# KiCad board STE25.kicad_pcb (continued)
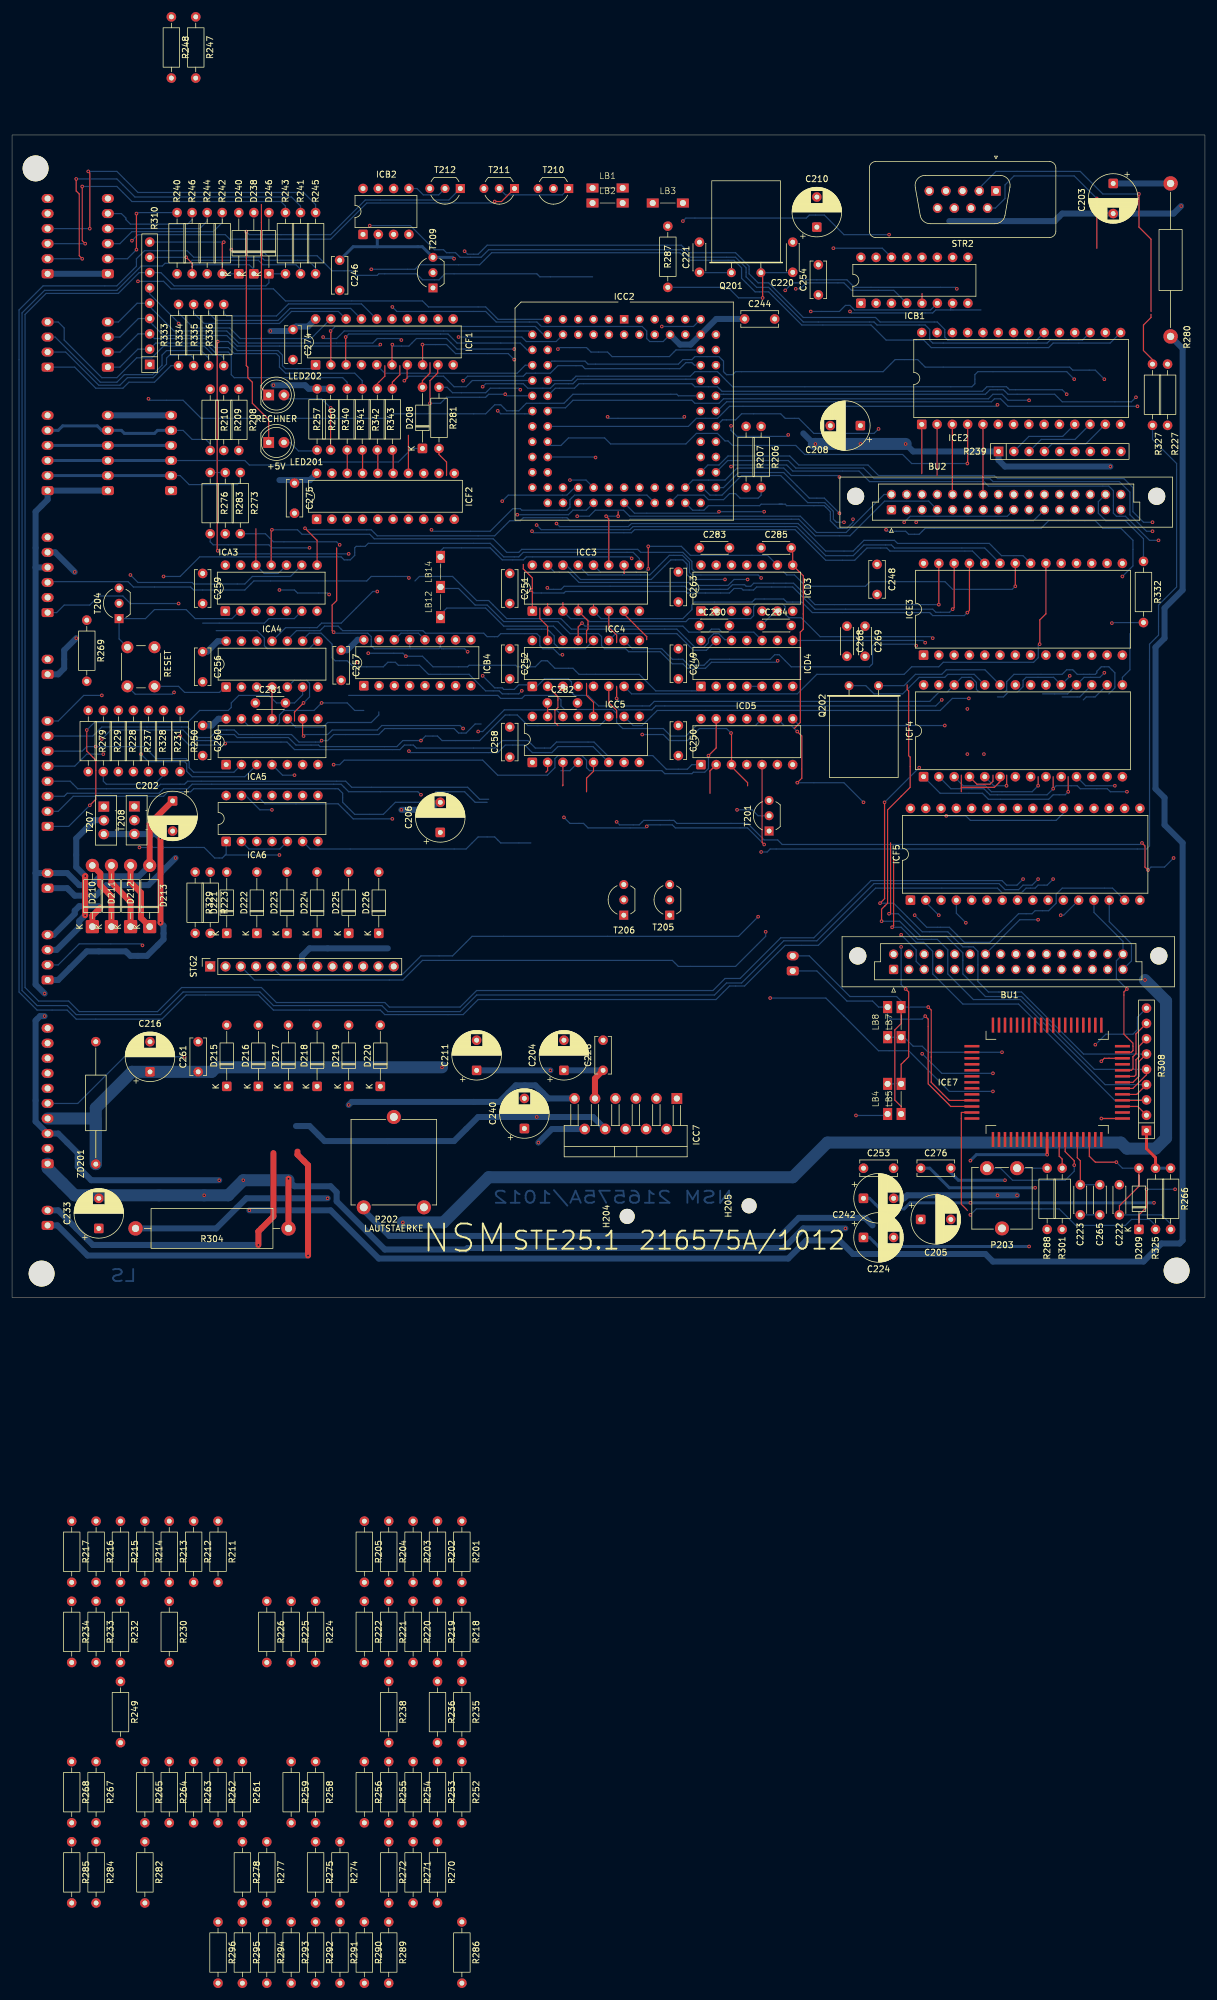
[diagram p0: board, top side]
## Routing (per net, layer and track width the routed paths; a pad name or vN(x,y) marks a point on that pad's centre or on a via; arc(x,y) is an arc through that point) (continued)
ALARM: length 9
  Bottom w1: STK2.1 7.66,103.49 8.66,104.49 8.66,107.49 v1(10.66,109.49)
D0: length 69.7
  Top w0.2: v1(52.91,160.49) 52.91,160.24 52.95,160.2 ICF1.2
  Bottom w0.2: 163.66,99.74 164.66,99.74 165.41,100.49 166.95,100.49 167.91,101.45 167.91,102.49 168.41,102.99 172.99,102.99 ICF4.19 175.66,103.14 v1(175.66,103.24) ; R239.2 168.88,142.99 174.49,142.99 ICE2.11 ; ICC2.13 88.26,159.89 86.91,161.24 53.66,161.24 v1(52.91,160.49)
D1: length 48.9
  Top w0.2: v1(55.41,159.49) 55.41,154.95 ICF1.3
  Bottom w0.2: R239.3 170.92,142.49 176.53,142.49 ICE2.12 ; v1(55.41,159.49) 55.91,159.99 72.41,159.99 73.91,158.49 84.41,158.49 85.55,157.35 ICC2.14
D2: length 23.7
  Bottom w0.2: R239.4 172.71,141.74 178.32,141.74 ICE2.13 ; v1(181.41,103.74) 180.66,102.99 178.05,102.99 ICF4.18 175.3,100.24 171.16,100.24
D3: length 168.2
  Bottom w0.2: v1(59.66,170.74) 66.91,170.74 67.66,171.49 77.66,171.49 79.66,173.49 110.91,173.49 112.16,172.24 119.91,172.24 121.16,170.99 121.16,169.24 123.41,166.99 125.66,166.99 131.16,161.49 142.66,161.49 145.16,158.99 151.41,158.99 152.66,157.74 172.16,157.74 172.91,158.49 182.37,158.49 ICE2.15 ; ICF1.5 60.82,154.62 60.82,154.58 61.91,153.49 83.91,153.49 85.23,154.81 ICC2.16 ; ICF4.11 178.29,84.99 v1(183.16,84.99)
D4: length 128.8
  Top w0.2: v1(63.16,158.24) 63.11,158.19 ICF1.6
  Bottom w0.2: ICC2.17 89.64,155.49 95.16,155.49 95.66,154.99 110.66,154.99 111.41,155.74 112.91,155.74 113.41,156.24 117.41,156.24 118.16,155.49 118.16,153.74 118.66,153.24 119.66,153.24 120.16,153.74 144.66,153.74 146.66,155.74 150.41,155.74 151.66,154.49 175.66,154.49 176.16,153.99 179.91,153.99 v1(181.41,152.49) ; v1(83.41,157.49) 73.91,157.49 72.16,159.24 67.16,159.24 65.91,157.99 63.41,157.99 v1(63.16,158.24) ; ICF4.17 177.34,99.74 174.41,99.74
D5: length 156.9
  Top w0.2: ICF1.7 65.65,154.62 65.61,154.58 65.61,152.69 v1(65.16,152.24)
  Bottom w0.2: v1(65.16,152.24) 65.91,152.99 71.66,152.99 73.41,151.24 75.41,151.24 76.44,152.27 ICC2.18 ; ICE2.17 177.79,158.99 172.41,158.99 171.91,158.49 152.91,158.49 152.41,158.99 152.41,160.74 151.66,161.49 143.66,161.49 143.16,161.99 131.41,161.99 125.66,167.74 123.66,167.74 121.91,169.49 121.91,170.99 120.16,172.74 112.41,172.74 111.16,173.99 79.16,173.99 77.91,172.74 74.41,172.74 73.66,173.49 72.16,173.49 71.66,173.99 70.16,173.99 66.16,177.99 v1(59.41,177.99)
D6: length 116.2
  Top w0.2: v1(68.16,158.24) 68.19,158.21 ICF1.8
  Bottom w0.2: ICC2.19 92.94,152.27 93.66,152.99 112.66,152.99 113.41,153.74 117.16,153.74 119.66,151.24 159.41,151.24 159.91,151.74 159.91,153.24 160.41,153.74 175.16,153.74 v1(176.41,152.49) ; 177.91,99.24 178.41,99.74 179.88,99.74 ICF4.16 ; v1(68.16,158.24) 72.16,158.24 73.66,156.74 82.41,156.74 v1(83.41,155.74)
D7: length 24.7
  Top w0.2: v1(69.41,148.49) 69.41,152.24 70.69,153.52 70.69,154.58 70.73,154.62 ICF1.9
  Bottom w0.2: v1(69.41,148.49) 71.16,148.49 72.16,149.49 78.66,149.49 79.16,149.99 v1(81.91,149.99) 82.17,149.73 ICC2.20
DB_RTS2: length 356
  Bottom w0.2: R245.2 50.41,170.99 49.16,172.24 41.91,172.24 41.41,172.74 30.16,172.74 29.08,173.82 21.99,173.82 20.66,172.49 20.66,171.24 17.41,167.99 5.16,167.99 1.16,163.99 1.16,50.74 4.16,47.74 9.16,47.74 10.66,46.24 24.91,46.24 28.91,50.24 40.91,50.24 43.41,47.74 61.16,47.74 61.91,46.99 74.91,46.99 77.41,49.49 116.91,49.49 119.16,51.74 121.66,51.74 128.41,58.49 133.91,58.49 143.41,67.99 163.66,67.99 164.41,67.24 167.66,67.24 168.41,67.99 169.91,67.99 170.41,68.49 171.91,68.49 v1(172.91,69.49)
DB_RXD2: length 340.3
  Bottom w0.2: 45.41,169.99 42.66,169.99 42.66,168.49 42.16,167.99 26.91,167.99 24.72,170.18 R310.7 21.1,170.18 17.66,166.74 5.66,166.74 2.16,163.24 2.16,51.49 4.41,49.24 9.41,49.24 11.16,47.49 24.16,47.49 28.16,51.49 41.41,51.49 43.91,48.99 61.91,48.99 62.66,48.24 74.41,48.24 77.16,50.99 116.41,50.99 118.41,52.99 120.91,52.99 127.66,59.74 133.16,59.74 142.66,69.24 164.41,69.24 165.16,68.49 166.91,68.49 v1(167.91,69.49)
IO4: length 64.6
  Top w0.2: v1(100.66,129.74) 100.66,130.49 ; v1(98.66,129.74) 99.11,129.29 ICC3.11
  Bottom w0.2: v1(98.66,129.74) v1(100.66,129.74) ; v1(119.41,144.74) 119.41,143.99 120.41,142.99 128.66,142.99 v1(128.91,143.24) ; v1(98.91,146.24) 99.16,145.99 111.41,145.99 v1(111.66,146.24) ; v1(128.41,167.24) 129.66,168.49 130.91,168.49 131.41,168.99 138.66,168.99 139.91,167.74 156.66,167.74 v1(156.91,167.49)
IO5: length 112.8
  Top w0.2: 101.66,120.24 101.65,120.25 ICC3.10 ; D209.1 187.16,13.74 188.41,14.99 v1(188.41,17.99) ; v1(188.66,70.99) 188.16,71.49 188.16,74.99 v1(187.66,75.49)
  Bottom w0.2: v1(187.66,75.49) 187.41,75.24 127.91,75.24 127.16,75.99 124.91,75.99 122.16,78.74 110.41,78.74 109.91,79.24 104.91,79.24 104.16,78.49 100.91,78.49 v1(100.41,78.99) ; v1(192.91,72.99) 191.41,71.49 189.16,71.49 v1(188.66,70.99) ; v1(188.41,17.99) v1(193.16,17.99)
IO6: length 93.9
  Bottom w0.2: ICA6.2 39.35,74.49 44.47,74.49 ICA6.5 ; v1(25.16,119.74) 27.91,119.74 31.16,122.99 54.66,122.99 55.16,122.49 56.16,122.49 56.91,123.24 56.91,124.49 57.16,124.74 58.66,124.74 59.16,125.24 79.41,125.24 81.66,122.99 84.16,122.99 84.91,123.74 103.16,123.74 104.19,122.71 ICC3.9
IO7: length 6.3
  Top w0.2: 105.41,109.24 105.41,109.74 101.65,113.5 ICC3.7
IOS_CLOCK_IN: length 63.6
  Bottom w0.2: v1(67.91,83.49) 67.41,83.99 55.91,83.99 54.66,85.24 29.91,85.24 29.16,84.49 25.16,84.49 24.41,83.74 9.16,83.74 8.66,83.24 STB2.3
IOS_CLOCK_OUT: length 76.6
  Bottom w0.2: STB2.7 13.41,93.24 14.91,94.74 29.16,94.74 30.91,92.99 32.91,92.99 34.16,94.24 36.91,94.24 37.66,93.49 46.41,93.49 47.66,92.24 51.16,92.24 v1(51.41,92.49) 52.41,92.49 53.41,93.49 60.91,93.49 61.91,94.49 73.41,94.49 74.16,93.74 75.41,93.74 76.91,95.24 77.91,95.24
IOS_DATA_IN: length 10.1
  Bottom w0.2: v1(15.16,90.24) 12.41,90.24 10.41,88.24 STB2.5
IOS_DATA_OUT: length 63
  Top w0.2: v1(12.91,81.74) 13.91,82.74 13.91,89.24 12.41,90.74 v1(12.41,94.24)
  Bottom w0.2: STB2.1 9.41,78.24 v1(12.91,81.74) ; ICA4.6 48.26,100.09 46.91,98.74 C281.2 43.91,98.74 42.66,99.99 37.66,99.99 36.41,98.74 36.41,97.99 35.91,97.49 31.16,97.49 29.16,95.49 13.66,95.49 v1(12.41,94.24)
IOS_LOAD_IN: length 110.9
  Top w0.2: C285.2 129.65,124.25 ICD3.8 131.41,119.85 131.41,110.99 130.91,110.49 130.91,95.49 129.91,94.49
  Bottom w0.2: 78.91,82.24 76.91,82.24 75.16,83.99 70.41,83.99 68.66,82.24 63.66,82.24 61.66,80.24 56.91,80.24 54.91,82.24 54.91,83.74 54.16,84.49 30.16,84.49 29.66,83.99 25.91,83.99 25.16,83.24 10.16,83.24 7.66,80.74 STB2.2
IOS_LOAD_MOT: length 79.2
  Bottom w0.2: STB2.4 9.66,85.74 10.91,84.49 23.91,84.49 24.66,85.24 28.66,85.24 29.16,85.74 55.41,85.74 56.41,84.74 75.66,84.74 77.66,82.74 79.16,82.74 ; ICD3.6 126.81,113.99 C284.1
IOS_LOAD_OUT: length 35.8
  Bottom w0.2: STB2.6 11.66,90.74 12.41,91.49 v1(13.91,91.49) 21.91,91.49 23.91,89.49 28.91,89.49 29.41,88.99 29.41,87.99 30.16,87.24 36.85,87.24 ICA5.2 38.1,88.9
LSP1: length 63.3
  Top w1: v1(49.16,6.99) 49.16,21.99 47.41,23.74 47.41,24.24
  Bottom w1: v1(49.16,6.99) 12.53,6.99 7.53,11.99 STH2.1
LSP2: length 53.7
  Top w1: v1(40.91,8.74) 40.91,10.99 43.41,13.49 43.41,23.99
  Bottom w1: v1(40.91,8.74) 13.41,8.74 7.66,14.49 STH2.2
MONEY_RXD: length 63.7
  Bottom w0.2: D208.1 66.41,140.99 64.16,138.74 49.41,138.74 48.91,138.24 39.41,138.24 38.66,138.99 STE2.3
  Bottom w0.5: STE2.3 STD2.3 STC2.3
MONEY_TXD: length 34.3
  Bottom w0.2: STE2.2 27.91,136.49 29.41,134.99 37.41,134.99 37.91,135.49 R273.1
  Bottom w0.5: STC2.2 STD2.2 STE2.2
MONEY_TXD_L: length 59.1
  Top w0.2: 53.91,124.49 53.91,115.74 53.16,114.99 53.16,110.74 v1(53.41,110.49)
  Bottom w0.2: ICB4.13 66.04,107.87 ; 66.04,107.87 65.91,107.74 60.16,107.74 59.66,108.24 59.66,109.74 59.08,110.32 53.58,110.32 v1(53.41,110.49) ; 66.04,107.87 66.17,107.74 70.91,107.74 71.12,107.95 ; ICB4.11 71.12,107.95 ; 71.12,107.95 71.33,107.74 75.16,107.74 v1(75.66,107.24) ; R273.2 42.07,126.83 43.41,125.49 53.91,125.49 v1(54.41,124.99)
NVRAM_E1: length 74.3
  Bottom w0.2: ICC4.10 103.02,107.74 107.91,107.74 109.66,105.99 111.41,105.99 112.41,104.99 114.91,104.99 115.91,105.99 125.91,105.99 126.66,106.74 127.41,106.74 129.41,104.74 142.41,104.74 142.91,105.24 142.91,108.24 143.16,108.49 149.91,108.49 v1(150.16,108.24) ; BU2.a9 165.29,129.73 149.15,129.73 v1(148.16,128.74)
NVRAM_W: length 118.2
  Top w0.2: ICA3.8 50.66,125.74 v1(48.66,127.74)
  Bottom w0.2: BU2.a4 152.24,132.24 144.91,132.24 139.16,126.49 133.41,126.49 130.66,129.24 102.66,129.24 102.41,128.99 92.66,128.99 92.16,129.49 84.91,129.49 84.41,128.99 82.66,128.99 80.16,126.49 60.66,126.49 59.66,127.49 48.91,127.49 v1(48.66,127.74)
OE_PERIPH: length 10.8
  Bottom w0.2: STB2.8 7.66,95.74 11.91,99.99 v1(14.91,99.99)
ONBOARD_ROM_CE: length 88
  Top w0.2: ICE3.20 171.7,113.54 170.69,112.52 170.69,108.52 v1(170.66,108.49)
  Bottom w0.2: ICC4.7 102.9,100.24 130.41,100.24 133.66,103.49 148.16,103.49 149.41,104.74 153.91,104.74 154.66,105.49 169.66,105.49 170.43,106.26 170.43,108.26 v1(170.66,108.49)
ONBOARD_ROM_OE: length 139.3
  Top w0.2: v1(43.16,127.49) 43.04,127.37 ICA3.11 ; ICE3.22 v1(166.62,118.11)
  Bottom w0.2: v1(43.16,127.49) 47.41,127.49 48.16,126.74 59.41,126.74 60.16,125.99 79.91,125.99 82.16,123.74 84.16,123.74 84.66,124.24 103.91,124.24 104.41,123.74 111.41,123.74 112.91,122.24 112.91,120.99 113.41,120.49 128.16,120.49 128.66,119.99 129.95,119.99 131.83,118.11 141.73,118.11 142.49,118.87 154.94,118.87 156.21,117.6 166.12,117.6 v1(166.62,118.11)
P0.4: length 24.4
  Bottom w1: v1(27.16,72.99) 22.66,68.49 15.66,68.49 13.91,66.74 10.41,66.74 9.16,67.99 STL2.1
PRG_CE: length 44.3
  Bottom w0.2: BU2.a11 169.63,128.99 150.41,128.99 v1(150.16,128.74) ; v1(151.66,108.74) 151.29,109.11 ICD4.8
PRINTER_DSR: length 31.5
  Top w0.2: v1(180.16,182.49) 180.16,174.24
  Bottom w0.2: STR2.6 163.32,180.9 164.91,182.49 164.91,184.74 166.41,186.24 176.41,186.24 v1(180.16,182.49)
PRINTER_RX: length 59.4
  Top w0.2: 189.16,163.74 189.16,175.74 187.16,177.74 v1(187.16,183.24) ; 189.16,163.24 189.16,162.74 187.91,161.49 187.91,157.24 189.41,155.74 R327.1
  Bottom w0.2: v1(187.16,183.24) 181.16,183.24 177.41,186.99 163.41,186.99 160.64,184.22 STR2.2
PRINTER_RX_L: length 138.3
  Bottom w0.2: v1(124.41,73.99) 125.41,73.99 125.91,74.49 188.41,74.49 188.91,74.99 188.91,108.49 190.41,109.99 190.41,114.99 193.41,117.99 193.41,138.49 189.41,142.49 R327.2
RAM_CE: length 111.5
  Top w0.2: 87.66,114.49 87.66,112.74 88.95,111.45 ICC4.15
  Bottom w0.2: ICE2.20 170.17,158.99 155.41,158.99 154.91,159.49 154.91,160.74 153.66,161.99 144.16,161.99 143.41,162.74 131.41,162.74 125.66,168.49 123.91,168.49 122.41,169.99 122.41,171.24 120.16,173.49 112.41,173.49 111.16,174.74 78.91,174.74 77.41,173.24 75.66,173.24 v1(75.16,173.74)
READY: length 30
  Bottom w0.2: STE2.5 28.41,143.99 29.91,142.49 32.16,142.49 32.91,141.74 R210.2
  Bottom w0.5: STE2.5 24.16,143.99 23.66,143.49 18.66,143.49 18.16,143.99 STD2.5 14.91,143.99 14.16,144.74 8.41,144.74 7.66,143.99 STC2.5
RESET: length 43.9
  Bottom w0.2: STM2.1 7.41,113.74 8.66,114.99 12.91,114.99 14.41,116.49 18.41,116.49 19.66,115.24 v1(27.66,115.24)
  Bottom w0.5: STE2.4 STD2.4 STC2.4
RW: length 26.5
  Bottom w0.2: 35.41,73.49 v1(44.41,73.49) ; 35.41,73.49 34.91,72.99 33.66,72.99 31.91,74.74 v1(21.16,74.74) ; 35.41,73.49 35.56,73.64 ICA6.1
RXDA: length 20.4
  Top w0.2: R242.2 34.91,174.99 v1(35.16,175.24)
  Bottom w0.2: R310.9 35.14,175.26 v1(35.16,175.24) ; D240.1 R242.2
  vias: v1(158.66,90.24)
SERVICE_CLK: length 2.3
  Top w0.2: ICC5.15 88.95,98.7 C282.1
SERVICE_DATA: length 85.5
  Bottom w0.2: v1(123.91,63.24) 120.66,59.99 76.41,59.99 73.16,56.74 67.91,56.74 64.66,53.49 44.57,53.49 STG2.5
SERVICE_STROBE: length 92.7
  Bottom w0.2: STG2.3 40.24,52.74 64.91,52.74 68.16,55.99 109.66,55.99 110.66,54.99 120.16,54.99 125.16,59.99 v1(125.16,60.74)
SND_A0: length 4
  Bottom w0.2: v1(174.16,63.49) 174.65,63.49 ICF5.12
SND_A10: length 11.1
  Bottom w0.2: v1(170.41,62.74) 167.36,62.74 BU1.b7
SND_A12: length 4.4
  Bottom w0.2: v1(158.41,62.24) 156.83,63.82 ICF5.4
SND_A16: length 3.4
  Bottom w0.2: ICF5.2 151.75,65.65 v1(153.91,63.49)
SND_A19: length 65.9
  Top w0.2: LB7.2 147.66,45.49 146.61,44.44 146.61,32.79 147.66,31.74 LB5.1 ; ICE7.61 155.66,32.74 152.66,35.74 152.66,47.74 v1(152.16,48.24)
  Bottom w0.2: v1(152.16,48.24) LB7.2 147.66,49.24 146.91,49.99 139.16,49.99 132.41,56.74 STS2.2
SND_A20: length 46.7
  Top w0.2: v1(151.66,46.74) 152.16,46.24 152.16,35.49 155.91,31.74 ICE7.62
  Bottom w0.2: STS2.1 133.66,54.24 138.66,49.24 142.91,49.24 143.91,48.24 LB8.2 145.41,46.74 145.91,46.24 151.16,46.24 v1(151.66,46.74)
SND_CE: length 32.3
  Bottom w0.2: v1(164.41,40.74) 152.16,40.74 151.16,41.74 149.66,41.74 148.16,43.24 LB7.1 LB8.1 ; v1(179.91,41.99) 181.66,43.74 186.16,43.74 186.91,44.49 186.91,46.56 R308.9
SND_D0: length 30.9
  Top w0.2: v1(185.16,51.24) 184.66,50.74 184.66,43.74 186.16,42.24 186.16,40.99 185.91,40.74 ICE7.31
  Bottom w0.2: v1(185.16,51.24) 183.41,52.99 183.41,55.93 BU1.b16 184.51,59.14 179.69,63.96 ICF5.13
SND_D1: length 13.6
  Bottom w0.2: BU1.a16 185.91,55.89 185.91,58.74 182.23,62.42 ICF5.14
SND_D2: length 42.2
  Bottom w0.2: ICF5.15 182.77,67.99 174.41,67.99 173.41,66.99 173.41,65.49 172.16,64.24 169.91,64.24 169.41,63.74 167.16,63.74 162.41,58.99 158.16,58.99 155.66,61.49 151.91,61.49 v1(149.91,63.49)
SND_OE: length 20.4
  Bottom w0.2: v1(162.91,37.24) 154.41,37.24 v1(151.16,40.49) ; BU1.a3 150.16,55.82 150.16,57.74 v1(147.66,60.24)
SND_ROM_CE: length 21
  Bottom w0.2: ICF5.22 174.61,80.44 173.41,79.24 159.16,79.24 158.41,79.99 v1(155.16,79.99)
SOUND_I0: length 83.1
  Top w0.2: ICE7.22 186.95,31.74 R308.2
  Bottom w0.2: v1(190.41,125.74) 188.91,125.74 184.92,129.73 183.42,129.73 182.91,130.24 182.91,133.99 182.16,134.74 162.16,134.74 161.41,135.49 142.41,135.49 140.66,137.24 129.66,137.24 128.66,138.24 119.66,138.24 v1(119.41,137.99)
SOUND_I1: length 104.9
  Top w0.2: R308.3 188.33,32.74 ICE7.23 ; 146.41,72.74 146.41,61.74 v1(146.16,61.49)
  Bottom w0.2: v1(139.66,129.24) 139.66,128.74 138.66,127.74 137.16,127.74 135.91,128.99 135.91,130.49 134.91,131.49 128.66,131.49 128.41,131.74 127.41,131.74 127.91,131.74 124.41,131.74 124.16,131.49 115.66,131.49 114.91,130.74 113.03,130.74 ICC2.51 ; R308.3 183.08,32.82 167.16,48.74 157.91,48.74 152.91,53.74 152.91,57.49 151.41,58.99 150.16,58.99 147.66,61.49 v1(146.16,61.49)
SOUND_I2: length 131.2
  Top w0.2: R308.4 186.79,33.74 ICE7.24 ; v1(144.41,62.49) 144.41,64.49 145.41,65.49 145.41,80.99 149.16,84.74 149.16,89.74 148.91,89.99 148.91,100.74 148.66,100.99 148.66,101.74
  Bottom w0.2: v1(144.41,62.49) 147.41,62.49 150.41,59.49 153.66,59.49 155.41,57.74 155.41,53.74 159.66,49.49 167.41,49.49 181.54,35.36 R308.4 ; v1(137.41,136.24) 137.16,136.49 129.41,136.49 128.16,137.74 120.41,137.74 118.41,135.74 113.07,135.74 ICC2.52
SOUND_I3: length 97.5
  Top w0.2: R308.5 188.41,36.99 186.16,34.74 ICE7.25 ; 145.91,75.49 145.91,63.99 v1(145.66,63.74)
  Bottom w0.2: v1(137.41,130.24) 134.91,132.74 132.41,132.74 128.16,136.99 120.66,136.99 118.16,134.49 ICC2.54 ; v1(145.66,63.74) 147.16,63.74 150.91,59.99 155.16,59.99 157.91,57.24 157.91,53.74 161.66,49.99 167.66,49.99 179.75,37.9 R308.5
SOUND_I4: length 119.8
  Top w0.2: v1(144.16,65.49) 144.91,66.24 v1(144.91,82.24) ; ICE7.26 186.16,35.74 187.16,36.74 187.16,39.19 R308.6
  Bottom w0.2: v1(144.91,82.24) v1(150.66,87.99) ; ICC2.55 114.66,134.49 115.91,133.24 117.91,133.24 121.16,136.49 127.66,136.49 132.16,131.99 134.98,131.99 136.41,130.56 136.41,129.24 136.91,128.74 v1(138.16,128.74) ; v1(144.16,65.49) 146.41,65.49 151.16,60.74 155.41,60.74 157.91,58.24 159.66,58.24 160.41,57.49 160.41,52.49 162.16,50.74 167.66,50.74 177.96,40.44 R308.6
SOUND_I5: length 89.5
  Top w0.2: R308.7 187.16,41.73 187.16,39.99 186.66,39.49 186.66,36.99 186.41,36.74 ICE7.27
  Bottom w0.2: ICC2.56 118.86,138.99 128.91,138.99 130.16,137.74 141.41,137.74 143.16,135.99 162.41,135.99 162.91,135.49 183.91,135.49 185.66,133.74 185.66,129.99 188.41,127.24 v1(189.41,127.24)
SOUND_I6: length 93.4
  Top w0.2: R308.8 186.66,43.77 186.66,40.49 186.16,39.99 186.16,37.99 185.91,37.74 ICE7.28
  Bottom w0.2: ICC2.57 115.57,138.24 117.41,138.24 118.91,139.74 129.16,139.74 130.66,138.24 142.16,138.24 143.91,136.49 163.16,136.49 163.66,135.99 184.66,135.99 186.16,134.49 186.16,130.49 187.91,128.74 v1(189.41,128.74)
TRESOR_DATA_IN: length 17.3
  Bottom w0.2: v1(21.66,58.49) 21.41,58.74 11.16,58.74 7.66,55.24 STP2.2
TRESOR_DATA_OUT: length 28.4
  Top w1: v1(12.16,69.99) 12.13,69.96 v1(12.13,63.49)
  Bottom w1: v1(12.13,63.49) 11.16,62.52 11.16,61.49 7.41,57.74 STP2.3 ; v1(12.16,69.99) 10.66,71.49 10.66,76.24 13.69,79.27 15.24,79.27
TUER_MELDUNG: length 61.7
  Bottom w0.2: STM2.3 6.04,118.87 19.28,118.87 20.16,117.99 29.66,117.99 30.16,117.49 38.66,117.49 40.16,118.99 58.91,118.99 59.66,119.74 65.66,119.74 v1(65.91,119.49)
TUER_TASTE: length 5.8
  Bottom w1: v1(10.41,120.49) 7.16,123.74 STM2.5
TX1: length 47.1
  Bottom w0.2: v1(69.66,127.49) 69.91,127.24 79.41,127.24 83.16,130.99 84.41,130.99 84.66,130.74 92.16,130.74 92.66,131.24 92.66,132.49 93.41,133.24 105.45,133.24 ICC2.47 ; ICB4.14 64.6,110.32 67.48,110.32 ICB4.12
TXDA:
  vias: v1(161.41,90.24)
TXDB: length 347
  Bottom w0.2: R241.2 47.91,170.74 47.16,171.49 41.66,171.49 40.91,172.24 29.91,172.24 29.41,171.74 25.41,171.74 24.95,171.28 21.45,171.28 17.41,167.24 5.41,167.24 1.66,163.49 1.66,50.99 4.16,48.49 9.16,48.49 10.66,46.99 24.66,46.99 28.41,50.74 41.16,50.74 43.41,48.49 61.41,48.49 62.41,47.49 74.41,47.49 77.16,50.24 116.66,50.24 118.66,52.24 121.16,52.24 128.16,59.24 133.66,59.24 143.16,68.74 163.91,68.74 164.91,67.74 167.16,67.74 167.91,68.49 169.41,68.49 v1(170.41,69.49)
UART_INT: length 9
  Bottom w0.2: 185.66,110.24 185.66,104.24 184.41,102.99 ICF4.15
UART_RD: length 50
  Top w0.2: 157.66,84.74 163.16,84.74 164.09,85.67 ICF4.6 ; 157.66,84.74 157.66,86.74 ; 157.66,84.74 157.66,83.99
  Bottom w0.2: ICA6.6 49.51,74.49 75.41,74.49 77.41,76.49 80.16,76.49 81.16,75.49 86.16,75.49
UART_WR: length 6
  Top w0.2: 165.19,86.74 165.19,85.02 v1(165.16,84.99)
  Bottom w0.2: v1(165.16,84.99) 163.05,84.99 ICF4.5
  vias: v1(158.66,97.74)
~{IOSTB}: length 103.8
  Top w0.2: 94.03,115.12 ICC3.4 95.66,112.36 95.66,110.99 95.41,110.74 95.41,108.74 ; v1(100.41,99.49) 100.41,101.49
  Bottom w0.2: 182.16,100.24 183.16,101.24 183.16,103.74 182.16,104.74 180.91,104.74 180.16,103.99 180.16,103.74 179.91,103.49 176.91,103.49 176.16,104.24 175.16,104.24 174.41,103.49 166.41,103.49 165.19,102.27 165.19,100.84 164.84,100.49 160.66,100.49 160.16,100.99 160.16,102.14 159.31,102.99 157.73,102.99 ICF4.26 155.23,100.49 153.91,100.49 152.41,98.99 106.66,98.99 105.91,98.24 101.66,98.24 v1(100.41,99.49)
~{PRINTER_RX_L}: length 76.9
  Top w0.2: v1(115.66,89.99) 116.95,91.28 ICD5.13
  Bottom w0.2: v1(115.66,89.99) 115.66,87.86 115.04,87.24 113.16,87.24 112.91,86.99 108.41,86.99 107.91,87.49 95.91,87.49 95.41,87.99 95.41,89.24 94.66,89.99 90.66,89.99 90.16,89.49 90.16,87.99 88.91,86.74 80.66,86.74 78.16,89.24 55.16,89.24 54.41,88.49 v1(53.41,88.49)
~{SERVICE_CLK}: length 16
  Bottom w0.2: ICC5.14 90.39,97.59 81.76,97.59 78.16,93.99 v1(77.41,93.99)
~{SERVICE_DATA}: length 26.2
  Top w0.2: v1(119.41,93.74) 119.49,93.66 ICD5.3 119.49,88.16 122.16,85.49 122.16,84.99
  Bottom w0.2: v1(104.66,93.49) 108.16,93.49 109.16,92.49 112.16,92.49 114.16,94.49 118.66,94.49 v1(119.41,93.74)
~{SOUND_BUSY}: length 29.5
  Bottom w0.2: v1(143.91,144.24) 143.16,143.49 133.16,143.49 130.66,145.99 128.41,145.99 127.66,146.74 121.16,146.74 120.16,145.74 117.99,145.74 ICC2.62
Net-(BU2-Pin_b15): length 16.6
  Bottom w0.2: R332.1 187.91,125.99 184.91,128.99 181.66,128.99 180.41,130.24 180.41,132.15 BU2.b15
Net-(C203-Pad1): length 9.5
  Bottom w1: C203.1 R280.1
Net-(C223-Pad1): length 3.2
  Bottom w0.2: C223.1 C265.1
Net-(D209-A): length 31
  Top w0.2: C222.1 183.91,15.24 187.16,18.49 D209.2 ; v1(183.41,22.49) 179.91,22.49 178.91,23.49 ICE7.17
  Bottom w0.2: v1(183.41,22.49) 184.41,21.49 D209.2 ; C222.1 190.91,13.74 192.41,12.24 R266.2
Net-(D210-A): length 11.5
  Top w1: D211.1 16.51,66.64 14.66,68.49 14.66,70.43 D210.2
Net-(D211-A): length 11.5
  Top w1: D211.2 16.51,68.89 19.69,65.72 D212.1
Net-(D212-A): length 11.5
  Top w1: D212.2 19.69,68.97 21.41,67.24 21.41,63.05 D213.1
Net-(D238-K): length 21.9
  Top w0.2: v1(28.91,172.74) 29.91,171.74 R246.2